# KiCad board EBAZ4205.kicad_pcb (continued)
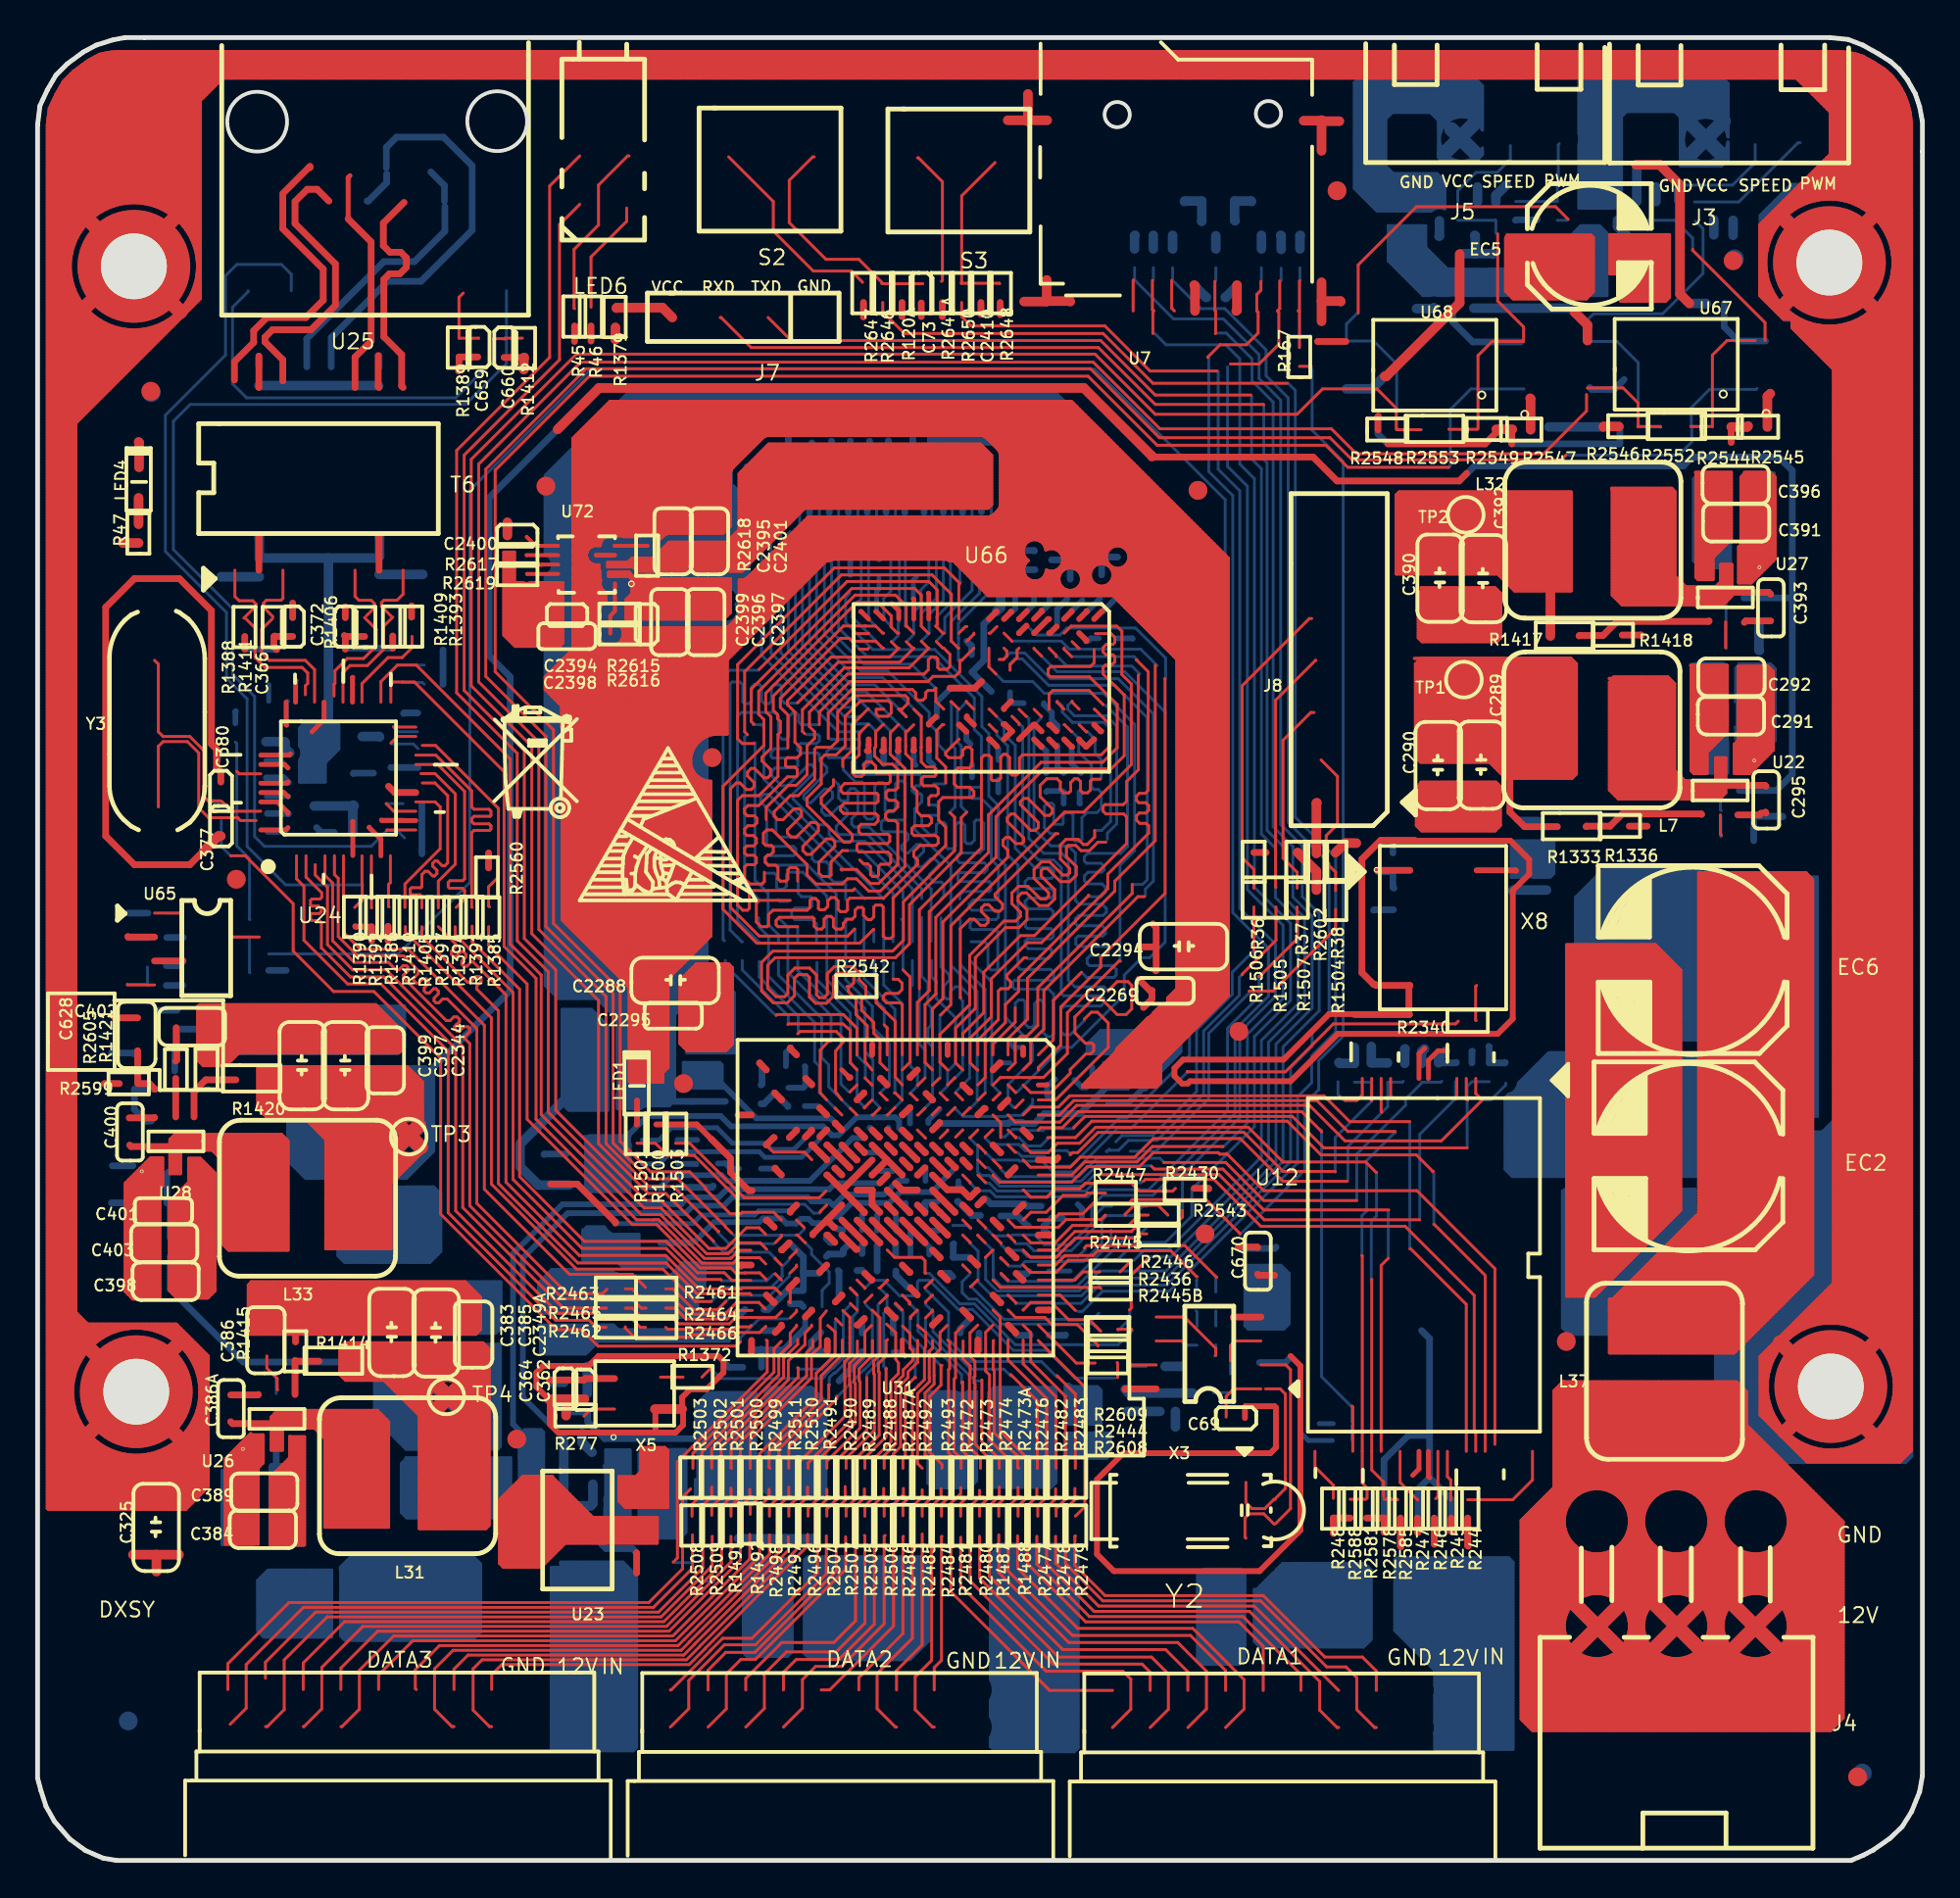
[diagram p0: board, top side]
## Routing (per net, layer and track width the routed paths; a pad name or vN(x,y) marks a point on that pad's centre or on a via; arc(x,y) is an arc through that point) (continued)
  In2.Cu w0.762: NOREF.2 97.65,23 ; NOREF.2 93.2,27.45 ; NOREF.2 93.2,23 ; NOREF.2 97.65,27.45 ; NOREF.4 7.35,82.62 ; NOREF.4 2.9,82.62 ; NOREF.4 2.9,87.08 ; NOREF.4 7.35,87.08 ; 3.02,22.72 NOREF.3 ; NOREF.3 3.02,27.18 ; NOREF.3 7.48,27.18 ; NOREF.3 7.48,22.72
  Bottom w0.178: 96.59,28.41 96.59,81.89 ; 95.68,69.01 99.72,69.01 ; 92.48,86.85 92.48,88.35 ; 95.68,68.85 99.72,68.85 ; 91.68,86.23 92.17,86.23 ; 95.68,55.6 99.72,55.6 ; 95.68,66.87 99.72,66.87 ; 89.3,36.09 99.72,36.09 ; 89.3,25.12 92.03,25.12 ; 95.68,44.93 99.72,44.93 ; 95.68,61.69 99.72,61.69 ; 95.68,66.11 99.72,66.11 ; 98.67,85.77 99.72,85.77 ; 89.3,26.64 92.34,26.64 ; 89.3,28.62 99.72,28.62 ; 95.68,59.41 99.72,59.41 ; 97.2,21.19 97.2,22.33 ; 90.04,22.26 90.04,38.76 ; 95.68,78.15 99.72,78.15 ; 93.1,88.97 98.63,88.97 ; 95.68,71.75 99.72,71.75 ; 95.68,70.38 99.72,70.38 ; 93.42,81.81 94.35,81.81 ; 95.68,88.43 95.68,89.2 ; 95.68,60.32 99.72,60.32 ; 94.3,88.28 94.3,89.2 ; 97.74,27.71 99.72,27.71 ; 95.68,51.94 99.72,51.94 ; 95.68,58.95 99.72,58.95 ; 95.68,70.84 99.72,70.84 ; 91.68,84.7 91.97,84.7 ; 92.63,87.08 92.63,88.5 ; 92.17,86.24 92.17,88.05 ; 97.82,82.72 99.72,82.72 ; 89.3,24.81 92.06,24.81 ; 95.68,43.1 99.72,43.1 ; 93.7,81.26 93.7,82.09 ; 89.3,31.06 99.72,31.06 ; 96.44,28.46 96.44,81.84 ; 94.61,21.19 94.61,21.93 ; 95.37,21.19 95.37,21.83 ; 95.68,76.17 99.72,76.17 ; 93.85,88.09 93.85,89.2 ; 93.7,88.01 93.7,89.2 ; 89.3,27.25 92.7,27.25 ; 95.68,71.45 99.72,71.45 ; 95.68,52.7 99.72,52.7 ; 95.68,45.99 99.72,45.99 ; 89.3,24.66 92.08,24.66 ; 95.68,48.43 99.72,48.43 ; 93.25,89.12 98.48,89.12 ; 95.68,39.75 99.72,39.75 ; 89.3,31.36 99.72,31.36 ; 92.69,82.27 93.41,82.27 ; 93.85,28.23 93.85,38.76 ; 98.74,85.01 99.72,85.01 ; 89.73,22.56 89.73,38.76 ; 91.71,21.19 91.71,38.76 ; 95.22,21.19 95.22,21.84 ; 95.68,75.1 99.72,75.1 ; 98.68,84.4 99.72,84.4 ; 95.68,58.8 99.72,58.8 ; 95.68,74.49 99.72,74.49 ; 95.68,21.19 95.68,21.84 ; 98.18,83.18 99.72,83.18 ; 98.82,25.27 99.72,25.27 ; 95.68,58.03 99.72,58.03 ; 95.68,76.02 99.72,76.02 ; 95.68,76.93 99.72,76.93 ; 95.68,52.55 99.72,52.55 ; 91.88,87.75 93.3,87.75 ; 94,80.95 94,81.94 ; 95.68,75.71 99.72,75.71 ; 91.68,83.48 92.34,83.48 ; 94.46,21.19 94.46,21.97 ; 89.3,36.39 99.72,36.39 ; 97.05,21.19 97.05,22.24 ; 95.68,43.56 99.72,43.56 ; 91.68,86.53 92.3,86.53 ; 89.3,28.77 99.72,28.77 ; 94.76,88.39 94.76,89.2 ; 95.68,79.07 99.72,79.07 ; 95.98,21.19 95.98,21.88 ; 92.93,27.53 92.93,38.76 ; 95.68,77.69 99.72,77.69 ; 91.68,85.16 91.96,85.16 ; 98.23,86.84 99.72,86.84 ; 91.71,83.24 91.71,87.59 ; 98.59,86.08 99.72,86.08 ; 89.3,34.56 99.72,34.56 ; 94.97,79.98 99.72,79.98 ; 92.17,26.19 92.17,38.76 ; 95.68,57.12 99.72,57.12 ; 95.68,49.8 99.72,49.8 ; 89.3,27.86 93.28,27.86 ; 98.74,85.16 99.72,85.16 ; 93.24,21.19 93.24,22.63 ; 96.13,21.19 96.13,21.91 ; 95.68,49.96 99.72,49.96 ; 95.43,79.52 99.72,79.52 ; 94.3,21.19 94.3,22.02 ; 97.97,22.98 99.72,22.98 ; 89.3,29.08 99.72,29.08 ; 95.83,21.19 95.83,21.86 ; 94.15,21.19 94.15,22.08 ; 90.99,21.31 99.51,21.31 ; 95.68,57.58 99.72,57.58 ; 95.68,73.88 99.72,73.88 ; 92.94,88.82 98.78,88.82 ; 95.68,60.02 99.72,60.02 ; 95.68,61.23 99.72,61.23 ; 98.57,21.19 98.57,23.95 ; 92.78,21.19 92.78,23.1 ; 92.54,82.42 93.21,82.42 ; 95.68,44.62 99.72,44.62 ; 89.3,36.85 99.72,36.85 ; 96.17,21.92 99.72,21.92 ; 95.68,49.35 99.72,49.35 ; 95.68,66.57 99.72,66.57 ; 97.51,27.91 97.51,82.43 ; 98.15,27.25 99.72,27.25 ; 97.19,87.9 99.7,87.9 ; 97.35,87.79 97.35,89.2 ; 95.68,53.31 99.72,53.31 ; 97.66,27.78 97.66,82.56 ; 95.68,64.74 99.72,64.74 ; 96.29,21.19 96.29,21.94 ; 89.3,34.26 99.72,34.26 ; 98.58,26.49 99.72,26.49 ; 90.95,21.34 90.95,38.76 ; 95.68,71.9 99.72,71.9 ; 97.59,87.6 99.72,87.6 ; 97.66,21.19 97.66,22.67 ; 94.91,80.04 94.91,81.68 ; 93.39,21.19 93.39,22.51 ; 89.3,31.67 99.72,31.67 ; 95.68,73.73 99.72,73.73 ; 95.68,51.33 99.72,51.33 ; 94.3,28.43 94.3,38.76 ; 97.83,22.83 99.72,22.83 ; 95.68,46.45 99.72,46.45 ; 89.3,29.23 99.72,29.23 ; 89.3,27.71 93.11,27.71 ; 94.15,80.8 94.15,81.87 ; 95.68,55.44 99.72,55.44 ; 89.3,28.01 93.49,28.01 ; 89.3,37.31 99.72,37.31 ; 95.68,55.75 99.72,55.75 ; 95.68,76.32 99.72,76.32 ; 99.03,21.19 99.03,88.57 ; 95.37,88.44 95.37,89.2 ; 95.68,39.9 99.72,39.9 ; 97.96,82.88 99.72,82.88 ; 98.11,87.02 98.11,89.2 ; 95.68,40.05 99.72,40.05 ; 98.73,85.31 99.72,85.31 ; 95.22,28.61 95.22,39.01 ; 89.3,29.38 99.72,29.38 ; 92.17,21.19 92.17,24.26 ; 95.68,63.06 99.72,63.06 ; 95.68,69.62 99.72,69.62 ; 93.24,81.99 93.24,82.39 ; 94.46,80.5 94.46,81.78 ; 95.98,28.57 95.98,81.72 ; 92.18,88.06 93.78,88.06 ; 93.85,21.19 93.85,22.22 ; 92.23,82.72 92.88,82.72 ; 95.68,63.52 99.72,63.52 ; 95.68,76.63 99.72,76.63 ; 95.68,73.12 99.72,73.12 ; 89.3,27.1 92.59,27.1 ; 89.3,24.35 92.15,24.35 ; 89.3,26.79 92.41,26.79 ; 89.3,29.99 99.72,29.99 ; 89.3,24.2 92.19,24.2 ; 98.27,27.08 98.27,83.32 ; 95.68,63.98 99.72,63.98 ; 95.68,59.86 99.72,59.86 ; 95.04,38.83 99.72,38.83 ; 89.3,23.13 92.75,23.13 ; 98.61,84.09 99.72,84.09 ; 95.68,77.39 99.72,77.39 ; 95.68,60.47 99.72,60.47 ; 98.72,85.47 99.72,85.47 ; 96.83,28.32 99.72,28.32 ; 95.68,65.81 99.72,65.81 ; 96.9,21.19 96.9,22.17 ; 93.54,28.05 93.54,38.76 ; 95.68,40.2 99.72,40.2 ; 95.68,56.81 99.72,56.81 ; 95.68,40.66 99.72,40.66 ; 95.68,54.38 99.72,54.38 ; 92.48,26.9 92.48,38.76 ; 95.68,46.15 99.72,46.15 ; 95.22,79.73 95.22,81.66 ; 98.03,27.4 99.72,27.4 ; 95.68,68.09 99.72,68.09 ; 94.61,28.52 94.61,38.76 ; 95.68,47.98 99.72,47.98 ; 90.34,21.95 90.34,38.76 ; 89.3,30.91 99.72,30.91 ; 90.38,21.92 94.68,21.92 ; 95.68,79.22 99.72,79.22 ; 95.68,76.78 99.72,76.78 ; 89.3,32.89 99.72,32.89 ; 89.3,24.51 92.11,24.51 ; 95.68,66.42 99.72,66.42 ; 95.68,68.24 99.72,68.24 ; 98.44,83.64 99.72,83.64 ; 95.68,40.36 99.72,40.36 ; 96.09,88.36 99.24,88.36 ; 92.17,82.78 92.17,83.86 ; 89.3,26.49 92.27,26.49 ; 98.44,26.79 99.72,26.79 ; 95.07,21.19 95.07,21.85 ; 95.68,44.01 99.72,44.01 ; 95.68,44.47 99.72,44.47 ; 95.68,63.83 99.72,63.83 ; 93.85,81.11 93.85,82.01 ; 95.68,67.33 99.72,67.33 ; 95.68,62.45 99.72,62.45 ; 93.39,87.82 93.39,89.2 ; 98.13,86.99 99.72,86.99 ; 95.68,72.82 99.72,72.82 ; 98.4,86.53 99.72,86.53 ; 89.3,33.5 99.72,33.5 ; 97.2,87.89 97.2,89.2 ; 94.3,80.65 94.3,81.82 ; 95.68,70.23 99.72,70.23 ; 94.61,80.34 94.61,81.74 ; 94.46,28.48 94.46,38.76 ; 96.92,88.06 99.54,88.06 ; 95.68,69.16 99.72,69.16 ; 95.68,62 99.72,62 ; 96.44,88.26 96.44,89.2 ; 95.68,77.08 99.72,77.08 ; 91.68,84.25 92.05,84.25 ; 98.68,26.18 99.72,26.18 ; 98.57,26.5 98.57,83.98 ; 97,22.22 99.72,22.22 ; 95.68,62.3 99.72,62.3 ; 89.3,30.6 99.72,30.6 ; 92.32,82.63 92.32,83.51 ; 97.29,82.27 99.72,82.27 ; 93.42,81.66 99.72,81.66 ; 97.05,82.11 99.72,82.11 ; 96.42,28.47 99.72,28.47 ; 95.68,77.54 99.72,77.54 ; 89.3,33.04 99.72,33.04 ; 95.68,54.22 99.72,54.22 ; 91.68,86.84 92.47,86.84 ; 98.66,24.2 99.72,24.2 ; 95.68,69.77 99.72,69.77 ; 95.83,88.41 95.83,89.2 ; 95.68,43.86 99.72,43.86 ; 95.68,70.53 99.72,70.53 ; 95.68,42.03 99.72,42.03 ; 95.68,56.2 99.72,56.2 ; 89.3,35.02 99.72,35.02 ; 89.3,36.7 99.72,36.7 ; 89.31,22.98 92.88,22.98 ; 96.29,88.31 96.29,89.2 ; 89.47,22.83 93.02,22.83 ; 92.02,21.19 92.02,38.76 ; 95.68,41.73 99.72,41.73 ; 95.68,72.05 99.72,72.05 ; 91.26,21.19 91.26,38.76 ; 89.3,33.19 99.72,33.19 ; 92.78,27.35 92.78,38.76 ; 93.54,87.92 93.54,89.2 ; 98.42,26.82 98.42,83.6 ; 92.03,87.9 93.51,87.9 ; 89.3,30.75 99.72,30.75 ; 91.68,86.99 92.57,86.99 ; 91.68,86.69 92.38,86.69 ; 91.68,85.31 91.97,85.31 ; 95.68,60.78 99.72,60.78 ; 92.63,21.19 92.63,23.3 ; 93.45,81.5 99.72,81.5 ; 89.3,33.8 99.72,33.8 ; 96.67,22.07 99.72,22.07 ; 90.69,21.61 99.72,21.61 ; 89.3,34.72 99.72,34.72 ; 95.68,49.5 99.72,49.5 ; 89.3,24.05 92.24,24.05 ; 98.57,86.12 98.57,89.03 ; 95.68,53.16 99.72,53.16 ; 95.68,47.82 99.72,47.82 ; 89.3,33.95 99.72,33.95 ; 95.68,28.61 95.68,81.67 ; 95.68,48.89 99.72,48.89 ; 92.93,87.43 92.93,88.81 ; 89.3,28.16 93.73,28.16 ; 97.2,28.12 97.2,82.21 ; 95.68,67.48 99.72,67.48 ; 95.58,79.37 99.72,79.37 ; 89.3,35.63 99.72,35.63 ; 91.68,87.14 92.68,87.14 ; 95.68,39.59 99.72,39.59 ; 95.68,47.06 99.72,47.06 ; 89.3,37 99.72,37 ; 95.68,65.04 99.72,65.04 ; 95.68,65.35 99.72,65.35 ; 97.48,22.52 99.72,22.52 ; 95.68,56.51 99.72,56.51 ; 95.68,53.92 99.72,53.92 ; 95.68,47.52 99.72,47.52 ; 91.68,84.86 91.96,84.86 ; 89.3,31.21 99.72,31.21 ; 97.96,87.22 97.96,89.2 ; 95.68,69.31 99.72,69.31 ; 95.68,41.27 99.72,41.27 ; 95.68,56.05 99.72,56.05 ; 96.9,88.07 96.9,89.2 ; 90.23,22.07 94.18,22.07 ; 95.68,66.72 99.72,66.72 ; 89.58,22.71 89.58,38.64 ; 92.93,82.02 92.93,82.67 ; 92.32,86.59 92.32,88.2 ; 95.68,45.54 99.72,45.54 ; 91.68,85.62 92,85.62 ; 91.68,83.79 92.2,83.79 ; 98.65,84.25 99.72,84.25 ; 97.35,28.02 97.35,82.31 ; 98.26,27.1 99.72,27.1 ; 97.67,82.57 99.72,82.57 ; 94,21.19 94,22.14 ; 89.3,26.18 92.17,26.18 ; 95.68,50.72 99.72,50.72 ; 95.68,77.85 99.72,77.85 ; 89.3,31.97 99.72,31.97 ; 95.68,72.97 99.72,72.97 ; 95.68,61.84 99.72,61.84 ; 89.3,29.69 99.72,29.69 ; 95.68,59.71 99.72,59.71 ; 95.07,28.6 95.07,38.86 ; 97.9,87.29 99.72,87.29 ; 95.68,57.27 99.72,57.27 ; 94.82,80.13 99.72,80.13 ; 97.67,22.68 99.72,22.68 ; 89.3,34.87 99.72,34.87 ; 89.3,28.32 94.02,28.32 ; 95.07,79.89 95.07,81.67 ; 89.3,25.88 92.09,25.88 ; 95.07,88.43 95.07,89.2 ; 98.77,24.66 99.72,24.66 ; 89.3,25.57 92.05,25.57 ; 89.3,28.93 99.72,28.93 ; 89.3,23.74 92.37,23.74 ; 95.68,62.15 99.72,62.15 ; 95.68,53.77 99.72,53.77 ; 95.68,52.24 99.72,52.24 ; 95.68,49.19 99.72,49.19 ; 92.32,26.6 92.32,38.76 ; 98.71,84.55 99.72,84.55 ; 89.3,30.45 99.72,30.45 ; 98.47,86.38 99.72,86.38 ; 97.96,21.19 97.96,22.97 ; 89.62,38.68 99.72,38.68 ; 95.37,79.58 95.37,81.66 ; 89.3,31.82 99.72,31.82 ; 95.68,58.34 99.72,58.34 ; 95.68,42.18 99.72,42.18 ; 89.3,33.35 99.72,33.35 ; 95.68,64.43 99.72,64.43 ; 98.08,83.03 99.72,83.03 ; 98.36,83.48 99.72,83.48 ; 94.76,28.55 94.76,38.76 ; 95.68,48.59 99.72,48.59 ; 95.68,65.2 99.72,65.2 ; 95.68,45.08 99.72,45.08 ; 96.29,28.51 96.29,81.79 ; 96.13,28.54 96.13,81.75 ; 95.68,72.66 99.72,72.66 ; 89.3,36.55 99.72,36.55 ; 95.68,73.58 99.72,73.58 ; 95.5,39.29 99.72,39.29 ; 97.26,22.37 99.72,22.37 ; 95.68,75.86 99.72,75.86 ; 91.68,85.01 91.96,85.01 ; 97.96,27.48 97.96,82.88 ; 95.68,51.02 99.72,51.02 ; 95.68,54.99 99.72,54.99 ; 95.52,88.44 95.52,89.2 ; 91.93,83.03 92.62,83.03 ; 98.82,25.12 99.72,25.12 ; 93.7,21.19 93.7,22.31 ; 89.3,31.52 99.72,31.52 ; 95.68,51.79 99.72,51.79 ; 92.84,82.11 93.65,82.11 ; 95.68,74.95 99.72,74.95 ; 93.39,81.99 93.39,82.28 ; 94.37,80.59 99.72,80.59 ; 98.81,24.96 99.72,24.96 ; 95.68,78.3 99.72,78.3 ; 95.68,60.62 99.72,60.62 ; 95.68,65.5 99.72,65.5 ; 89.3,28.47 94.43,28.47 ; 95.68,67.64 99.72,67.64 ; 95.68,61.39 99.72,61.39 ; 95.68,45.69 99.72,45.69 ; 92.79,88.67 98.93,88.67 ; 97.35,21.19 97.35,22.43 ; 95.68,58.19 99.72,58.19 ; 90.08,22.22 93.85,22.22 ; 95.68,45.84 99.72,45.84 ; 95.68,74.04 99.72,74.04 ; 95.68,42.34 99.72,42.34 ; 89.3,27.4 92.82,27.4 ; 98.32,86.69 99.72,86.69 ; 95.68,41.88 99.72,41.88 ; 89.3,25.42 92.04,25.42 ; 95.68,63.22 99.72,63.22 ; 94.91,88.42 94.91,89.2 ; 89.3,23.9 92.3,23.9 ; 89.3,32.13 99.72,32.13 ; 91.68,87.29 92.8,87.29 ; 98.76,25.88 99.72,25.88 ; 95.68,70.07 99.72,70.07 ; 95.68,47.37 99.72,47.37 ; 96.59,88.21 96.59,89.2 ; 95.68,42.79 99.72,42.79 ; 98.74,84.86 99.72,84.86 ; 91.72,87.6 93.11,87.6 ; 99.18,21.19 99.18,88.42 ; 98.73,84.7 99.72,84.7 ; 95.68,59.25 99.72,59.25 ; 95.68,67.79 99.72,67.79 ; 93.54,21.19 93.54,22.4 ; 91.68,87.45 92.95,87.45 ; 95.68,54.07 99.72,54.07 ; 91.68,84.09 92.09,84.09 ; 95.68,49.04 99.72,49.04 ; 91.68,84.55 91.99,84.55 ; 89.89,22.41 89.89,38.76 ; 95.68,42.49 99.72,42.49 ; 89.62,22.68 93.18,22.68 ; 90.8,21.5 90.8,38.76 ; 93.09,27.68 93.09,38.76 ; 89.3,37.92 99.72,37.92 ; 97.49,82.42 99.72,82.42 ; 97.66,87.54 97.66,89.2 ; 97.36,28.01 99.72,28.01 ; 95.52,28.62 95.52,39.31 ; 95.37,28.62 95.37,39.16 ; 90.65,21.65 90.65,38.76 ; 95.22,88.44 95.22,89.2 ; 98.88,21.19 98.88,88.72 ; 91.56,21.19 91.56,38.76 ; 89.3,29.54 99.72,29.54 ; 95.68,41.57 99.72,41.57 ; 95.68,48.28 99.72,48.28 ; 95.68,50.26 99.72,50.26 ; 89.77,22.52 93.37,22.52 ; 93.7,28.14 93.7,38.76 ; 98.61,24.05 99.72,24.05 ; 95.68,76.47 99.72,76.47 ; 96.35,81.81 99.72,81.81 ; 89.3,37.61 99.72,37.61 ; 95.68,52.09 99.72,52.09 ; 95.68,44.17 99.72,44.17 ; 96.75,81.96 99.72,81.96 ; 97.51,21.19 97.51,22.54 ; 89.3,23.59 92.45,23.59 ; 96.13,88.35 96.13,89.2 ; 92.02,82.94 92.02,84.4 ; 97.81,21.19 97.81,22.81 ; 95.68,63.67 99.72,63.67 ; 95.68,50.57 99.72,50.57 ; 98.51,26.64 99.72,26.64 ; 97.05,87.99 97.05,89.2 ; 95.52,79.43 95.52,81.66 ; 95.68,61.54 99.72,61.54 ; 91.68,86.08 92.11,86.08 ; 89.3,27.55 92.96,27.55 ; 95.35,39.14 99.72,39.14 ; 98.21,23.29 99.72,23.29 ; 95.68,64.28 99.72,64.28 ; 95.68,44.78 99.72,44.78 ; 95.68,78.61 99.72,78.61 ; 89.3,36.24 99.72,36.24 ; 96.9,28.28 96.9,82.03 ; 95.68,70.68 99.72,70.68 ; 96.74,28.35 96.74,81.96 ; 98.42,86.5 98.42,89.18 ; 95.68,58.49 99.72,58.49 ; 98.63,85.92 99.72,85.92 ; 98.56,83.94 99.72,83.94 ; 95.68,58.64 99.72,58.64 ; 91.68,83.94 92.14,83.94 ; 91.68,85.47 91.98,85.47 ; 91.68,83.33 92.42,83.33 ; 95.68,57.73 99.72,57.73 ; 98.31,23.44 99.72,23.44 ; 89.3,29.84 99.72,29.84 ; 90.53,21.76 99.72,21.76 ; 91.87,83.09 91.87,87.74 ; 95.68,51.63 99.72,51.63 ; 95.68,72.51 99.72,72.51 ; 89.3,35.17 99.72,35.17 ; 95.68,73.27 99.72,73.27 ; 91.68,84.4 92.02,84.4 ; 97.12,28.16 99.72,28.16 ; 91.68,83.64 92.26,83.64 ; 95.68,43.71 99.72,43.71 ; 95.68,48.13 99.72,48.13 ; 95.68,74.34 99.72,74.34 ; 93.54,81.41 93.54,82.18 ; 95.68,68.4 99.72,68.4 ; 94.06,80.89 99.72,80.89 ; 95.68,60.93 99.72,60.93 ; 92.48,21.19 92.48,23.55 ; 94.46,88.32 94.46,89.2 ; 91.1,21.19 91.1,38.76 ; 98.74,24.51 99.72,24.51 ; 95.68,64.89 99.72,64.89 ; 95.68,74.8 99.72,74.8 ; 92.63,82.33 92.63,83.02 ; 95.68,43.4 99.72,43.4 ; 95.68,40.97 99.72,40.97 ; 96.74,88.14 96.74,89.2 ; 95.68,52.85 99.72,52.85 ; 98.78,25.73 99.72,25.73 ; 91.68,86.38 92.23,86.38 ; 95.68,54.83 99.72,54.83 ; 95.68,53 99.72,53 ; 98.7,24.35 99.72,24.35 ; 95.68,57.88 99.72,57.88 ; 89.3,24.96 92.04,24.96 ; 89.3,30.14 99.72,30.14 ; 98.72,21.19 98.72,24.43 ; 95.68,42.95 99.72,42.95 ; 93.42,81.96 93.95,81.96 ; 95.68,59.1 99.72,59.1 ; 93.91,81.05 99.72,81.05 ; 89.3,38.22 99.72,38.22 ; 98.72,85.41 98.72,88.88 ; 95.68,40.51 99.72,40.51 ; 95.68,77.24 99.72,77.24 ; 96.74,21.19 96.74,22.1 ; 99.33,21.19 99.33,88.27 ; 95.68,61.08 99.72,61.08 ; 95.68,41.12 99.72,41.12 ; 95.68,50.87 99.72,50.87 ; 95.68,48.74 99.72,48.74 ; 92.63,27.15 92.63,38.76 ; 89.3,26.33 92.22,26.33 ; 98.79,24.81 99.72,24.81 ; 95.68,69.92 99.72,69.92 ; 92.64,88.51 99.09,88.51 ; 93.09,81.99 93.09,82.52 ; 95.68,69.46 99.72,69.46 ; 95.68,71.14 99.72,71.14 ; 89.3,37.16 99.72,37.16 ; 98.48,23.74 99.72,23.74 ; 95.68,78.46 99.72,78.46 ; 98.63,26.33 99.72,26.33 ; 97.89,27.55 99.72,27.55 ; 97.81,87.39 97.81,89.2 ; 95.68,43.25 99.72,43.25 ; 89.3,34.41 99.72,34.41 ; 92.93,21.19 92.93,22.92 ; 89.3,23.29 92.64,23.29 ; 92.49,88.36 94.61,88.36 ; 97.75,87.45 99.72,87.45 ; 89.3,38.07 99.72,38.07 ; 98.81,25.42 99.72,25.42 ; 95.68,62.61 99.72,62.61 ; 97.51,87.67 97.51,89.2 ; 94.91,28.58 94.91,38.76 ; 89.46,38.53 99.72,38.53 ; 89.92,22.37 93.59,22.37 ; 95.68,45.38 99.72,45.38 ; 95.68,60.17 99.72,60.17 ; 98.1,23.13 99.72,23.13 ; 95.68,46.6 99.72,46.6 ; 95.68,50.41 99.72,50.41 ; 95.68,46.76 99.72,46.76 ; 95.68,72.21 99.72,72.21 ; 89.3,35.48 99.72,35.48 ; 95.68,71.29 99.72,71.29 ; 95.68,57.42 99.72,57.42 ; 94.67,80.28 99.72,80.28 ; 94.91,21.19 94.91,21.87 ; 98.7,85.62 99.72,85.62 ; 95.68,72.36 99.72,72.36 ; 93.6,81.35 99.72,81.35 ; 99.64,21.43 99.64,87.96 ; 92.78,82.17 92.78,82.83 ; 92.32,21.19 92.32,23.85 ; 95.68,40.81 99.72,40.81 ; 98.11,27.29 98.11,83.08 ; 95.68,51.18 99.72,51.18 ; 95.68,78.91 99.72,78.91 ; 89.3,34.11 99.72,34.11 ; 99.49,21.28 99.49,88.11 ; 89.3,33.65 99.72,33.65 ; 98.8,25.57 99.72,25.57 ; 95.83,28.59 95.83,81.69 ; 93.09,87.58 93.09,88.96 ; 89.3,32.43 99.72,32.43 ; 89.3,26.94 92.5,26.94 ; 98.5,83.79 99.72,83.79 ; 97.05,28.21 97.05,82.11 ; 95.68,63.37 99.72,63.37 ; 95.68,47.67 99.72,47.67 ; 97.4,87.75 99.72,87.75 ; 92.78,87.27 92.78,88.66 ; 95.68,55.14 99.72,55.14 ; 92.33,88.21 94.11,88.21 ; 98.72,26.03 99.72,26.03 ; 95.68,55.9 99.72,55.9 ; 93.76,81.2 99.72,81.2 ; 89.3,35.78 99.72,35.78 ; 95.68,45.23 99.72,45.23 ; 95.68,71.6 99.72,71.6 ; 95.68,62.76 99.72,62.76 ; 95.68,68.7 99.72,68.7 ; 97.81,27.64 97.81,82.71 ; 94.15,28.37 94.15,38.76 ; 98.27,86.78 98.27,89.2 ; 94.76,21.19 94.76,21.9 ; 93.24,87.71 93.24,89.11 ; 98.53,86.23 99.72,86.23 ; 93.24,27.82 93.24,38.76 ; 90.49,21.8 90.49,38.76 ; 95.68,67.18 99.72,67.18 ; 96.59,88.21 99.39,88.21 ; 95.68,65.96 99.72,65.96 ; 95.68,55.29 99.72,55.29 ; 92.48,82.48 92.48,83.25 ; 92.08,82.88 92.74,82.88 ; 94.15,88.23 94.15,89.2 ; 89.3,35.94 99.72,35.94 ; 95.68,73.43 99.72,73.43 ; 95.65,39.44 99.72,39.44 ; 95.68,53.46 99.72,53.46 ; 89.3,32.28 99.72,32.28 ; 91.68,85.77 92.03,85.77 ; 95.68,78.76 99.72,78.76 ; 95.68,41.42 99.72,41.42 ; 95.68,46.91 99.72,46.91 ; 95.68,78 99.72,78 ; 95.68,65.65 99.72,65.65 ; 98.11,21.19 98.11,23.16 ; 95.68,56.97 99.72,56.97 ; 95.68,64.59 99.72,64.59 ; 95.68,75.41 99.72,75.41 ; 95.68,66.26 99.72,66.26 ; 94.52,80.44 99.72,80.44 ; 95.68,42.64 99.72,42.64 ; 95.68,47.21 99.72,47.21 ; 95.68,70.99 99.72,70.99 ; 93.09,21.19 93.09,22.77 ; 95.68,67.03 99.72,67.03 ; 98.42,21.19 98.42,23.63 ; 89.3,26.03 92.13,26.03 ; 91.41,21.19 91.41,38.76 ; 95.13,79.83 99.72,79.83 ; 94.21,80.74 99.72,80.74 ; 89.3,30.3 99.72,30.3 ; 89.3,25.73 92.07,25.73 ; 89.3,37.76 99.72,37.76 ; 98.28,83.33 99.72,83.33 ; 94.61,88.36 94.61,89.2 ; 95.68,56.36 99.72,56.36 ; 95.68,67.94 99.72,67.94 ; 95.68,53.61 99.72,53.61 ; 95.52,21.19 95.52,21.83 ; 95.68,59.56 99.72,59.56 ; 92.02,85.7 92.02,87.89 ; 95.68,50.11 99.72,50.11 ; 95.19,38.98 99.72,38.98 ; 89.3,32.74 99.72,32.74 ; 95.68,75.26 99.72,75.26 ; 95.68,74.65 99.72,74.65 ; 92.38,82.57 93.03,82.57 ; 96.59,21.19 96.59,22.04 ; 95.98,88.38 95.98,89.2 ; 98.72,26.02 98.72,84.69 ; 98.27,21.19 98.27,23.37 ; 98.55,23.9 99.72,23.9 ; 94,88.16 94,89.2 ; 98.4,23.59 99.72,23.59 ; 89.3,23.44 92.54,23.44 ; 89.43,22.87 89.43,38.49 ; 95.68,68.55 99.72,68.55 ; 90.19,22.11 90.19,38.76 ; 95.68,75.56 99.72,75.56 ; 89.3,35.33 99.72,35.33 ; 95.68,74.19 99.72,74.19 ; 95.68,54.53 99.72,54.53 ; 89.3,25.27 92.03,25.27 ; 89.3,32.58 99.72,32.58 ; 89.3,37.46 99.72,37.46 ; 95.28,79.67 99.72,79.67 ; 94,28.31 94,38.76 ; 95.68,46.3 99.72,46.3 ; 91.87,21.19 91.87,38.76 ; 91.77,83.18 92.52,83.18 ; 97.57,27.86 99.72,27.86 ; 98.02,87.14 99.72,87.14 ; 95.68,52.4 99.72,52.4 ; 93.39,27.94 93.39,38.76 ; 95.68,51.48 99.72,51.48 ; 89.31,38.37 99.72,38.37 ; 95.68,44.32 99.72,44.32 ; 95.68,56.66 99.72,56.66 ; 90.84,21.46 99.66,21.46 ; 96.44,21.19 96.44,21.99 ; 91.68,85.92 92.07,85.92 ; 95.68,54.68 99.72,54.68 ; 95.68,62.91 99.72,62.91 ; 98.35,26.94 99.72,26.94 ; 95.68,49.65 99.72,49.65 ; 95.68,64.13 99.72,64.13 ; 94.76,80.19 94.76,81.71 ; 89.7,38.76 94.98,38.76 95.68,39.46 95.68,79.28 93.42,81.54 93.42,81.99 92.96,81.99 91.68,83.28 91.68,87.55 93.33,89.2 98.4,89.2 99.72,87.88 99.72,21.52 99.4,21.19 91.1,21.19 89.3,22.99 89.3,38.36 89.7,38.76
  Bottom w0.762: 93.05,87.3 98.17,82.18 ; 92.2,21.97 98.2,27.97 ; 92.83,27.52 98.02,22.32 ; 93.13,83 97.9,87.78
